# Allegro board SDHCalFEB.brd (continued)
## Routing (per net, layer and track width the routed paths; a pad name or vN(x,y) marks a point on that pad's centre or on a via; arc(x,y) is an arc through that point) (continued)
GEM_OUT_B21: length 45.2
  TOP w0.127: R1458.2 v2(179.83,311.68) R105.1
  GND1 w0.127: v3(180.57,311.68) v2(179.83,311.68)
  SIG3 w0.127: v3(222.2,311.46) 187.75,311.46 187.53,311.68 v3(180.57,311.68)
  GND3 w0.127: v4(222.2,312.2) v3(222.2,311.46)
GEM_OUT_B22: length 9.5
  TOP w0.127: v2(239.17,312.14) R106.1 R1428.2
  GND1 w0.127: v3(238.43,312.14) v2(239.17,312.14)
  SIG3 w0.127: v3(238.43,312.14) 235.99,312.14 235.93,312.2 v3(232.94,312.2)
  GND3 w0.127: v4(232.2,312.2) v3(232.94,312.2)
GEM_OUT_B23: length 3.6
  TOP w0.127: R107.1 242.68,310.72 242.68,310.73 v2(242.2,310.73) 241.7,310.73 241.69,310.72 R1425.2
  GND1 w0.127: v3(242.2,311.46) v2(242.2,310.73)
  GND3 w0.127: v4(242.2,312.2) v3(242.2,311.46)
GEM_OUT_B24: length 3.5
  TOP w0.127: R1422.2 252.2,314.66 v2(252.2,313.67) 252.2,312.65 R108.1
  GND1 w0.127: v3(252.2,312.94) v2(252.2,313.67)
  GND3 w0.127: v4(252.2,312.2) v3(252.2,312.94)
GEM_OUT_B25: length 23.5
  TOP w0.127: R1494.2 193.26,303.55 193.26,303.56 R109.1 v2(191.69,303.56)
  GND1 w0.127: v2(191.69,303.56) v3(192.43,303.56)
  SIG3 w0.127: v3(192.43,303.56) 193.19,302.79 202.13,302.79 202.73,302.2 v3(211.46,302.2)
  GND3 w0.127: v4(212.2,302.2) v3(211.46,302.2)
GEM_OUT_B26: length 10.1
  TOP w0.127: v2(194.64,302.08) R110.1 195.63,301.49 195.64,301.48 R1498.2
  GND1 w0.127: v2(194.64,302.08) v3(195.38,302.08)
  SIG3 w0.127: v3(201.46,302.2) 201.35,302.08 v3(195.38,302.08)
  GND3 w0.127: v4(202.2,302.2) v3(201.46,302.2)
GEM_OUT_B27: length 34.9
  TOP w0.127: R111.1 v2(256.18,313.64) R1486.2
  GND1 w0.127: v2(256.18,313.64) v3(256.18,312.7)
  SIG3 w0.127: v3(231.46,302.2) 232.48,302.2 234.32,304.04 238.15,304.04 239.9,305.79 252.65,305.79 256.18,309.32 v3(256.18,312.7)
  GND3 w0.127: v4(232.2,302.2) v3(231.46,302.2)
GEM_OUT_B28: length 3.6
  TOP w0.127: R1482.2 241.45,302.48 241.46,302.49 v2(241.46,302.94) 241.46,303.4 241.45,303.42 R112.1
  GND1 w0.127: v3(241.46,302.2) v2(241.46,302.94)
  GND3 w0.127: v4(242.2,302.2) v3(241.46,302.2)
GEM_OUT_B29: length 3.9
  TOP w0.127: v2(252.94,302.94) 252.94,303.93 R113.1 R1478.2
  GND1 w0.127: v3(252.94,302.2) v2(252.94,302.94)
  GND3 w0.127: v4(252.2,302.2) v3(252.94,302.2)
GEM_OUT_B30: length 3.5
  TOP w0.127: R1502.2 190.73,302.19 v2(190.73,302.2) 190.28,302.2 190.27,302.21 R114.1
  GND1 w0.127: v3(191.46,302.2) v2(190.73,302.2)
  GND3 w0.127: v4(192.2,302.2) v3(191.46,302.2)
GEM_OUT_B31: length 44.1
  TOP w0.127: R1490.2 R115.1 v2(182.6,306.27)
  GND1 w0.127: v2(182.6,306.27) v3(183.34,306.27)
  SIG3 w0.127: v3(183.34,306.27) 184.99,304.62 201.52,304.62 203.5,302.64 209.96,302.64 210.44,303.12 220.54,303.12 v3(221.46,302.2)
  GND3 w0.127: v4(222.2,302.2) v3(221.46,302.2)
GEM_OUT_B32: length 4.5
  TOP w0.127: R1506.2 180.95,301.47 v2(182.94,301.47) 182.94,300.5 R116.1
  GND1 w0.127: v2(182.94,301.47) 182.75,301.47 182.75,301.47 182.2,301.47 v3(182.2,301.46)
  GND3 w0.127: v4(182.2,302.2) v3(182.2,301.46)
GEM_OUT_B33: length 4
  TOP w0.127: R117.1 182.19,294.14 182.2,294.14 v2(182.2,293.67) 180.75,293.67 R1538.2
  GND1 w0.127: v3(182.2,292.94) v2(182.2,293.67)
  GND3 w0.127: v4(182.2,292.2) v3(182.2,292.94)
GEM_OUT_B34: length 32.8
  TOP w0.127: R118.1 182.22,287.7 v2(183.2,287.7) 184.15,287.7 R1526.2
  GND1 w0.127: v3(183.93,287.7) v2(183.2,287.7)
  SIG3 w0.127: v3(183.93,287.7) 199,287.7 203.5,292.2 v3(211.13,292.2)
  GND3 w0.127: v4(212.2,292.2) v3(211.13,292.2)
GEM_OUT_B35: length 4.4
  TOP w0.127: R119.1 189.33,292.2 v2(190.73,292.2) 190.73,293.15 R1534.2
  GND1 w0.127: v3(191.46,292.2) v2(190.73,292.2)
  GND3 w0.127: v4(192.2,292.2) v3(191.46,292.2)
GEM_OUT_B36: length 38
  TOP w0.127: R1522.2 190.49,286.71 190.49,286.72 R120.1 v2(188.93,286.72)
  GND1 w0.127: v2(188.93,286.72) v3(189.66,286.72)
  SIG3 w0.127: v3(221.46,292.2) 216.15,292.2 215.32,291.36 203.86,291.36 199.21,286.72 v3(189.66,286.72)
  GND3 w0.127: v4(222.2,292.2) v3(221.46,292.2)
GEM_OUT_B37: length 3.4
  TOP w0.127: R1510.2 253.68,292.19 v2(253.67,292.2) 253.67,292.2 R121.1
  GND1 w0.127: v3(252.94,292.2) v2(253.67,292.2)
  GND3 w0.127: v4(252.2,292.2) v3(252.94,292.2)
GEM_OUT_B38: length 4
  TOP w0.127: v2(242.94,292.94) 242.94,293.94 R122.1 243.55,293.95 243.55,293.95 R1514.2
  GND1 w0.127: v2(242.94,292.94) v3(242.2,292.94)
  GND3 w0.127: v4(242.2,292.2) v3(242.2,292.94)
GEM_OUT_B39: length 17.7
  TOP w0.127: R123.1 v2(243.64,288.93) 242.69,288.93 R1518.2
  GND1 w0.127: v3(244.37,288.93) v2(243.64,288.93)
  SIG3 w0.127: v3(231.46,292.2) 232.67,292.2 233.22,291.64 236.75,291.64 239.47,288.93 v3(244.37,288.93)
  GND3 w0.127: v4(232.2,292.2) v3(231.46,292.2)
GEM_OUT_B40: length 8.3
  TOP w0.127: v2(200.73,292.2) 197.35,288.82 R124.1 195.86,288.82 195.85,288.83 R1530.2
  GND1 w0.127: v3(201.46,292.2) v2(200.73,292.2)
  GND3 w0.127: v4(202.2,292.2) v3(201.46,292.2)
GEM_OUT_B41: length 3.5
  TOP w0.127: R1570.2 181.16,282.25 v2(181.16,283.24) 181.16,283.73 181.15,283.73 R125.1
  GND1 w0.127: v3(181.68,282.72) v2(181.16,283.24)
  GND3 w0.127: v4(182.2,282.2) v3(181.68,282.72)
GEM_OUT_B42: length 33.9
  TOP w0.127: R126.1 v2(183.59,277.44) 182.68,277.44 182.67,277.45 R1558.2
  GND1 w0.127: v3(183.59,278.18) v2(183.59,277.44)
  SIG3 w0.127: v3(212.2,281.46) 208.92,278.18 v3(183.59,278.18)
  GND3 w0.127: v4(212.2,282.2) v3(212.2,281.46)
GEM_OUT_B43: length 3.4
  TOP w0.127: R127.1 183.69,272.22 v2(183.67,272.2) 183.7,272.17 R1601.2
  GND1 w0.127: v3(182.94,272.2) v2(183.67,272.2)
  GND3 w0.127: v4(182.2,272.2) v3(182.94,272.2)
GEM_OUT_B44: length 4
  TOP w0.127: R1566.2 192.21,279.82 192.2,279.83 v2(192.2,280.73) 191.19,280.73 R128.1
  GND1 w0.127: v3(192.2,281.46) v2(192.2,280.73)
  GND3 w0.127: v4(192.2,282.2) v3(192.2,281.46)
GEM_OUT_B45: length 33.1
  TOP w0.127: R1554.2 195.23,274.26 v2(195.22,274.27) R129.1
  GND1 w0.127: v3(195.22,275.01) v2(195.22,274.27)
  SIG3 w0.127: v3(195.22,275.01) 215.74,275.01 v3(222.2,281.46)
  GND3 w0.127: v4(222.2,282.2) v3(222.2,281.46)
GEM_OUT_B46: length 3.5
  TOP w0.127: R130.1 191.48,271.48 v2(191.46,271.46) 191.45,271.48 R1597.2
  GND1 w0.127: v3(192.2,271.46) v2(191.46,271.46)
  GND3 w0.127: v4(192.2,272.2) v3(192.2,271.46)
GEM_OUT_B47: length 3.4
  TOP w0.127: R1542.2 252.92,282.92 v2(252.94,282.94) 252.93,282.94 R131.1
  GND1 w0.127: v2(252.94,282.94) v3(252.2,282.94)
  GND3 w0.127: v4(252.2,282.2) v3(252.2,282.94)
GEM_OUT_B48: length 4
  TOP w0.127: v2(241.46,282.94) 241.46,283.96 R132.1 241.48,284.57 241.48,284.57 R1546.2
  GND1 w0.127: v3(241.46,282.2) v2(241.46,282.94)
  GND3 w0.127: v4(242.2,282.2) v3(241.46,282.2)
GEM_OUT_B49: length 12.2
  TOP w0.127: R1550.2 239.9,277.05 R133.1 v2(238.91,278.56)
  GND1 w0.127: v2(238.91,278.56) v3(239.65,278.56)
  SIG3 w0.127: v3(239.65,278.56) 236.01,282.2 v3(232.96,282.2)
  GND3 w0.127: v4(232.2,282.2) v3(232.96,282.2)
GEM_OUT_B50: length 3.5
  TOP w0.127: R134.1 201.46,281.46 v2(201.46,281.46) 202.43,281.46 R1562.2
  GND1 w0.127: v3(201.46,282.2) v2(201.46,281.46)
  GND3 w0.127: v4(202.2,282.2) v3(201.46,282.2)
GEM_OUT_B51: length 3.5
  TOP w0.127: R135.1 182.19,263.68 v2(182.2,263.67) 182.2,262.67 R1633.2
  GND1 w0.127: v3(182.2,262.94) v2(182.2,263.67)
  GND3 w0.127: v4(182.2,262.2) v3(182.2,262.94)
GEM_OUT_B52: length 4
  TOP w0.127: R136.1 190.73,262.2 v2(190.73,262.2) 189.25,262.2 R1629.2
  GND1 w0.127: v3(191.46,262.2) v2(190.73,262.2)
  GND3 w0.127: v4(192.2,262.2) v3(191.46,262.2)
GEM_OUT_B53: length 4
  TOP w0.127: R1593.2 203.67,271.13 R137.1 203.67,271.15 v2(203.67,272.2)
  GND1 w0.127: v3(202.94,272.2) v2(203.67,272.2)
  GND3 w0.127: v4(202.2,272.2) v3(202.94,272.2)
GEM_OUT_B54: length 3.5
  TOP w0.127: R138.1 202.2,261.71 v2(202.2,260.73) R1625.2
  GND1 w0.127: v3(202.2,261.46) v2(202.2,260.73)
  GND3 w0.127: v4(202.2,262.2) v3(202.2,261.46)
GEM_OUT_B55: length 3.5
  TOP w0.127: R1621.2 210.74,262.19 v2(210.73,262.2) 210.28,262.2 210.28,262.2 R139.1
  GND1 w0.127: v3(211.46,262.2) v2(210.73,262.2)
  GND3 w0.127: v4(212.2,262.2) v3(211.46,262.2)
GEM_OUT_B56: length 4
  TOP w0.127: R1589.2 212.18,271.2 R140.1 210.72,272.19 v2(210.73,272.2)
  GND1 w0.127: v3(211.46,272.2) v2(210.73,272.2)
  GND3 w0.127: v4(212.2,272.2) v3(211.46,272.2)
GEM_OUT_B57: length 4
  TOP w0.127: R1617.2 219.68,262.2 R141.1 220.28,262.2 220.28,262.2 v2(220.73,262.2)
  GND1 w0.127: v3(221.46,262.2) v2(220.73,262.2)
  GND3 w0.127: v4(222.2,262.2) v3(221.46,262.2)
GEM_OUT_B58: length 3.9
  TOP w0.127: R1613.2 229.71,262.2 R142.1 229.72,262.2 v2(230.73,262.2)
  GND1 w0.127: v3(231.46,262.2) v2(230.73,262.2)
  GND3 w0.127: v4(232.2,262.2) v3(231.46,262.2)
GEM_OUT_B59: length 3.5
  TOP w0.127: R143.1 239.73,262.2 v2(240.73,262.2) R1609.2
  GND1 w0.127: v3(241.46,262.2) v2(240.73,262.2)
  GND3 w0.127: v4(242.2,262.2) v3(241.46,262.2)
GEM_OUT_B60: length 3.4
  TOP w0.127: R144.1 249.71,262.2 v2(250.73,262.2) R1605.2
  GND1 w0.127: v3(251.46,262.2) v2(250.73,262.2)
  GND3 w0.127: v4(252.2,262.2) v3(251.46,262.2)
GEM_OUT_B61: length 4
  TOP w0.127: R1574.2 252.77,269.74 252.77,269.75 R145.1 252.2,269.75 v2(252.2,270.73)
  GND1 w0.127: v3(252.2,271.46) v2(252.2,270.73)
  GND3 w0.127: v4(252.2,272.2) v3(252.2,271.46)
GEM_OUT_B62: length 4
  TOP w0.127: R1578.2 243.66,269.7 R146.1 242.2,269.71 v2(242.2,270.73)
  GND1 w0.127: v3(242.2,271.46) v2(242.2,270.73)
  GND3 w0.127: v4(242.2,272.2) v3(242.2,271.46)
GEM_OUT_B63: length 3.5
  TOP w0.127: R1582.2 232.2,271.7 v2(232.2,270.73) 232.2,269.73 R147.1
  GND1 w0.127: v3(232.2,271.46) v2(232.2,270.73)
  GND3 w0.127: v4(232.2,272.2) v3(232.2,271.46)
GEM_OUT_B64: length 3.5
  TOP w0.127: 220.05,272.9 220.73,272.22 v2(220.73,272.2) 220.74,272.21 R148.1
  GND1 w0.127: v3(221.46,272.2) v2(220.73,272.2)
  GND3 w0.127: v4(222.2,272.2) v3(221.46,272.2)
GEM_OUT_C1: length 5
  TOP w0.127: R168.1 172.2,318.31 v2(172.2,320.73) 172.19,320.74 R1442.2
  GND1 w0.127: v3(172.2,321.46) v2(172.2,320.73)
  GND3 w0.127: v4(172.2,322.2) v3(172.2,321.46)
GEM_OUT_C2: length 3.4
  TOP w0.127: R169.1 172.2,334.62 v2(172.2,333.67) 172.2,332.73 R1402.2
  GND1 w0.127: v3(172.2,332.94) v2(172.2,333.67)
  GND3 w0.127: v4(172.2,332.2) v3(172.2,332.94)
GEM_OUT_C3: length 3.4
  TOP w0.127: R170.1 162.2,324.67 v2(162.2,323.67) 162.2,322.71 R1411.2
  GND1 w0.127: v3(162.2,322.94) v2(162.2,323.67)
  GND3 w0.127: v4(162.2,322.2) v3(162.2,322.94)
GEM_OUT_C4: length 3.4
  TOP w0.127: R171.1 160.73,332.2 v2(160.73,332.2) 159.77,332.2 R1385.2
  GND1 w0.127: v3(161.46,332.2) v2(160.73,332.2)
  GND3 w0.127: v4(162.2,332.2) v3(161.46,332.2)
GEM_OUT_C5: length 3.4
  TOP w0.127: R1413.2 152.2,323.67 v2(152.2,323.67) 152.2,324.64 R172.1
  GND1 w0.127: v3(152.2,322.94) v2(152.2,323.67)
  GND3 w0.127: v4(152.2,322.2) v3(152.2,322.94)
GEM_OUT_C6: length 3.5
  TOP w0.127: R173.1 150.73,332.2 v2(150.73,332.2) 149.77,332.2 R1432.2
  GND1 w0.127: v3(151.46,332.2) v2(150.73,332.2)
  GND3 w0.127: v4(152.2,332.2) v3(151.46,332.2)
GEM_OUT_C7: length 3.5
  TOP w0.127: R174.1 142.2,324.69 v2(142.2,323.67) 142.2,322.72 R1395.2
  GND1 w0.127: v3(142.2,322.94) v2(142.2,323.67)
  GND3 w0.127: v4(142.2,322.2) v3(142.2,322.94)
GEM_OUT_C8: length 4
  TOP w0.127: R175.1 139.73,332.2 v2(140.73,332.2) 140.73,333.1 140.72,333.11 R1434.2
  GND1 w0.127: v3(141.46,332.2) v2(140.73,332.2)
  GND3 w0.127: v4(142.2,332.2) v3(141.46,332.2)
GEM_OUT_C9: length 4
  TOP w0.127: R176.1 132.21,323.68 v2(132.2,323.67) 133.11,323.67 133.11,323.67 R1396.2
  GND1 w0.127: v3(132.2,322.94) v2(132.2,323.67)
  GND3 w0.127: v4(132.2,322.2) v3(132.2,322.94)
GEM_OUT_C10: length 3.5
  TOP w0.127: R1436.2 132.2,332.67 v2(132.2,333.67) 132.2,334.69 R177.1
  GND1 w0.127: v3(132.2,332.94) v2(132.2,333.67)
  GND3 w0.127: v4(132.2,332.2) v3(132.2,332.94)
GEM_OUT_C11: length 3.5
  TOP w0.127: R178.1 122.2,334.66 v2(122.2,333.67) R1407.2
  GND1 w0.127: v3(122.2,332.94) v2(122.2,333.67)
  GND3 w0.127: v4(122.2,332.2) v3(122.2,332.94)
GEM_OUT_C12: length 3.3
  TOP w0.127: R1449.2 122.2,322.95 v2(122.2,323.67) 122.2,324.12 122.2,324.13 R179.1
  GND1 w0.127: v3(122.2,322.94) v2(122.2,323.67)
  GND3 w0.127: v4(122.2,322.2) v3(122.2,322.94)
GEM_OUT_C13: length 1.5
  TOP w0.127: R180.1 117.65,332.2 R1642.1
GEM_OUT_C14: length 3.5
  TOP w0.127: R1391.2 102.2,331.71 v2(102.2,330.73) 102.2,329.68 R181.1
  GND1 w0.127: v3(102.2,331.46) v2(102.2,330.73)
  GND3 w0.127: v4(102.2,332.2) v3(102.2,331.46)
GEM_OUT_C15: length 4
  TOP w0.127: R1471.2 122.68,312.8 122.67,312.79 R182.1 122.68,312.2 v2(123.67,312.2)
  GND1 w0.127: v3(122.94,312.2) v2(123.67,312.2)
  GND3 w0.127: v4(122.2,312.2) v3(122.94,312.2)
GEM_OUT_C16: length 3.5
  TOP w0.127: R183.1 113.68,322.19 v2(113.67,322.2) 113.67,322.2 R1451.2
  GND1 w0.127: v3(112.94,322.2) v2(113.67,322.2)
  GND3 w0.127: v4(112.2,322.2) v3(112.94,322.2)
GEM_OUT_C17: length 3.5
  TOP w0.127: R1423.2 v2(103.67,322.2) R184.1
  GND1 w0.127: v3(102.94,322.2) v2(103.67,322.2)
  GND3 w0.127: v4(102.2,322.2) v3(102.94,322.2)
GEM_OUT_C18: length 39.7
  TOP w0.127: R1467.2 v2(98.42,319.53) R185.1
  GND1 w0.127: v2(98.42,319.53) v3(99.16,319.53)
  SIG3 w0.127: v3(99.16,319.53) 125.58,319.53 v3(132.2,312.91)
  GND3 w0.127: v4(132.2,312.2) v3(132.2,312.91)
GEM_OUT_C19: length 3.4
  TOP w0.127: R186.1 113.66,312.19 v2(113.67,312.2) 113.68,312.19 R1475.2
  GND1 w0.127: v3(112.94,312.2) v2(113.67,312.2)
  GND3 w0.127: v4(112.2,312.2) v3(112.94,312.2)
GEM_OUT_C20: length 3.6
  TOP w0.127: R187.1 103.25,313.67 v2(102.2,313.67) 101.15,313.67 R1479.2
  GND1 w0.127: v3(102.2,312.94) v2(102.2,313.67)
  GND3 w0.127: v4(102.2,312.2) v3(102.2,312.94)
GEM_OUT_C21: length 45
  TOP w0.127: R1463.2 v2(100.03,311.28) R188.1
  GND1 w0.127: v2(100.03,311.28) v3(100.76,311.28)
  SIG3 w0.127: v3(100.76,311.28) 102.15,311.28 102.33,311.46 v3(142.2,311.46)
  GND3 w0.127: v4(142.2,312.2) v3(142.2,311.46)
GEM_OUT_C22: length 9.7
  TOP w0.127: R189.1 v2(159.87,312.2) 158.83,312.2 R1459.2
  GND1 w0.127: v3(159.13,312.2) v2(159.87,312.2)
  SIG3 w0.127: v3(159.13,312.2) v3(152.94,312.2)
  GND3 w0.127: v4(152.2,312.2) v3(152.94,312.2)
GEM_OUT_C23: length 3.4
  TOP w0.127: R190.1 162.21,310.72 v2(162.2,310.73) 162.19,310.72 R1455.2
  GND1 w0.127: v3(162.2,311.46) v2(162.2,310.73)
  GND3 w0.127: v4(162.2,312.2) v3(162.2,311.46)
GEM_OUT_C24: length 4
  TOP w0.127: R1426.2 173.11,313.66 173.11,313.67 v2(172.2,313.67) 172.2,312.68 R191.1
  GND1 w0.127: v3(172.2,312.94) v2(172.2,313.67)
  GND3 w0.127: v4(172.2,312.2) v3(172.2,312.94)
GEM_OUT_C25: length 26.2
  TOP w0.127: v2(110.92,304.7) R192.1 113.37,304.7 R1499.2
  GND1 w0.127: v3(110.19,304.7) v2(110.92,304.7)
  SIG3 w0.127: v3(131.35,302.2) 122.44,302.2 119.94,304.7 v3(110.19,304.7)
  GND3 w0.127: v4(132.2,302.2) v3(131.35,302.2)
GEM_OUT_C26: length 12.1
  TOP w0.127: R1503.2 113.31,302.55 113.31,302.56 v2(113.31,303) R193.1
  GND1 w0.127: v2(113.31,303) v3(114.05,303)
  SIG3 w0.127: v3(114.05,303) 115.37,301.68 v3(121.68,301.68)
  GND3 w0.127: v3(121.68,301.68) v4(122.2,302.2)
GEM_OUT_C27: length 33.2
  TOP w0.127: R194.1 v2(176.03,313.26) 176.03,314.27 R1491.2
  GND1 w0.127: v2(176.03,313.26) v3(176.03,312.52)
  SIG3 w0.127: v3(151.67,302.71) 152.36,303.4 155.27,303.4 157.2,305.33 170.99,305.33 176.03,310.37 v3(176.03,312.52)
  GND3 w0.127: v3(151.67,302.71) 151.69,302.71 152.2,302.2 v4(152.2,302.2)
GEM_OUT_C28: length 3.4
  TOP w0.127: R1487.2 161.47,302.93 v2(161.46,302.94) R195.1
  GND1 w0.127: v3(161.46,302.2) v2(161.46,302.94)
  GND3 w0.127: v4(162.2,302.2) v3(161.46,302.2)
GEM_OUT_C29: length 3.5
  TOP w0.127: R196.1 171.47,303.39 171.46,303.38 v2(171.46,302.94) 171.46,301.97 R1483.2
  GND1 w0.127: v3(171.46,302.2) v2(171.46,302.94)
  GND3 w0.127: v4(172.2,302.2) v3(171.46,302.2)
GEM_OUT_C30: length 3.6
  TOP w0.127: R1507.2 111.85,302.2 v2(110.73,302.2) 109.73,302.2 R197.1
  GND1 w0.127: v3(111.46,302.2) v2(110.73,302.2)
  GND3 w0.127: v4(112.2,302.2) v3(111.46,302.2)
GEM_OUT_C31: length 45.3
  TOP w0.127: R1495.2 100.05,307.64 R198.1 v2(101.02,306.2)
  GND1 w0.127: v2(101.02,306.2) v3(101.54,305.68)
  SIG3 w0.127: v3(141.46,302.2) 140.87,302.8 123.21,302.8 120.33,305.68 v3(101.54,305.68)
  GND3 w0.127: v4(142.2,302.2) v3(141.46,302.2)
GEM_OUT_C32: length 4
  TOP w0.127: R199.1 101.46,300.49 v2(101.46,301.46) 99.95,301.46 R1511.2
  GND1 w0.127: v3(102.2,301.46) v2(101.46,301.46)
  GND3 w0.127: v4(102.2,302.2) v3(102.2,301.46)
GEM_OUT_C33: length 4.2
  TOP w0.127: R200.1 102.2,294.94 v2(102.2,293.67) 102.19,293.68 R1543.2
  GND1 w0.127: v3(102.2,292.94) v2(102.2,293.67)
  GND3 w0.127: v4(102.2,292.2) v3(102.2,292.94)
GEM_OUT_C34: length 33.3
  TOP w0.127: v2(103.15,287.88) R201.1 100.7,287.88 R1531.2
  GND1 w0.127: v3(103.89,287.88) v2(103.15,287.88)
  SIG3 w0.127: v3(103.89,287.88) 119.23,287.88 123.54,292.2 v3(131.46,292.2)
  GND3 w0.127: v4(132.2,292.2) v3(131.46,292.2)
GEM_OUT_C35: length 4.3
  TOP w0.127: R202.1 109.66,292.2 109.67,292.2 v2(110.73,292.2) 110.73,293.21 R1539.2
  GND1 w0.127: v3(111.46,292.2) v2(110.73,292.2)
  GND3 w0.127: v4(112.2,292.2) v3(111.46,292.2)
GEM_OUT_C36: length 38.6
  TOP w0.127: R1527.2 110.07,286.51 110.07,286.51 R203.1 v2(108.48,286.51)
  GND1 w0.127: v2(108.48,286.51) v3(109.22,286.51)
  SIG3 w0.127: v3(141.46,292.2) 140.58,291.31 124.05,291.31 119.25,286.51 v3(109.22,286.51)
  GND3 w0.127: v4(142.2,292.2) v3(141.46,292.2)
GEM_OUT_C37: length 4
  TOP w0.127: R204.1 172.2,294.73 v2(172.2,293.67) 173.7,293.67 R1515.2
  GND1 w0.127: v3(172.2,292.94) v2(172.2,293.67)
  GND3 w0.127: v4(172.2,292.2) v3(172.2,292.94)
GEM_OUT_C38: length 3.4
  TOP w0.127: R205.1 v2(162.94,292.94) R1519.2
  GND1 w0.127: v3(162.94,292.2) v2(162.94,292.94)
  GND3 w0.127: v4(162.2,292.2) v3(162.94,292.2)
GEM_OUT_C39: length 18.3
  TOP w0.127: R1523.2 166.08,291.25 166.09,291.25 v2(166.09,292.18) R206.1
  GND1 w0.127: v3(165.35,292.18) v2(166.09,292.18)
  SIG3 w0.127: v3(151.46,292.2) 152.05,291.62 164.79,291.62 v3(165.35,292.18)
  GND3 w0.127: v4(152.2,292.2) v3(151.46,292.2)
GEM_OUT_C40: length 8.9
  TOP w0.127: R1535.2 115.19,289.08 115.19,289.08 R207.1 117.6,289.08 v2(120.73,292.2)
  GND1 w0.127: v3(121.46,292.2) v2(120.73,292.2)
  GND3 w0.127: v4(122.2,292.2) v3(121.46,292.2)
GEM_OUT_C41: length 3.5
  TOP w0.127: R208.1 102.21,283.67 v2(102.2,283.67) 101.75,283.67 101.75,283.67 R1575.2
  GND1 w0.127: v3(102.2,282.94) v2(102.2,283.67)
  GND3 w0.127: v4(102.2,282.2) v3(102.2,282.94)
GEM_OUT_C42: length 33.3
  TOP w0.127: R209.1 v2(102.74,278.51) 103.71,278.51 R1563.2
  GND1 w0.127: v3(103.48,278.51) v2(102.74,278.51)
  SIG3 w0.127: v3(132.2,281.54) 129.17,278.51 v3(103.48,278.51)
  GND3 w0.127: v4(132.2,282.2) v3(132.2,281.54)
GEM_OUT_C43: length 3.9
  TOP w0.127: R210.1 102.2,274.64 v2(102.2,273.67) 100.76,273.67 R1606.2
  GND1 w0.127: v3(102.2,272.94) v2(102.2,273.67)
  GND3 w0.127: v4(102.2,272.2) v3(102.2,272.94)
GEM_OUT_C44: length 3.9
  TOP w0.127: R211.1 111.21,280.73 v2(112.2,280.73) 112.2,279.87 112.21,279.85 R1571.2
  GND1 w0.127: v2(112.2,280.73) v3(112.2,281.46)
  GND3 w0.127: v4(112.2,282.2) v3(112.2,281.46)
GEM_OUT_C45: length 35.3
  TOP w0.127: R212.1 v2(113.44,273.81) 113.44,272.93 113.42,272.91 R1559.2
  GND1 w0.127: v2(113.44,273.81) v3(114.17,273.81)
  SIG3 w0.127: v3(114.17,273.81) 127.64,273.81 135.09,281.27 v3(142.2,281.27)
  GND3 w0.127: v4(142.2,282.2) v3(142.2,281.27)
GEM_OUT_C46: length 3.6
  TOP w0.127: R1602.2 111.74,270.74 111.76,270.73 v2(112.2,270.73) 112.64,270.73 112.66,270.74 R213.1
  GND1 w0.127: v3(112.2,271.46) v2(112.2,270.73)
  GND3 w0.127: v4(112.2,272.2) v3(112.2,271.46)
GEM_OUT_C47: length 3.4
  TOP w0.127: R1547.2 172.2,283.67 v2(172.2,283.67) 172.21,283.69 R214.1
  GND1 w0.127: v3(172.2,282.94) v2(172.2,283.67)
  GND3 w0.127: v4(172.2,282.2) v3(172.2,282.94)
GEM_OUT_C48: length 4
  TOP w0.127: R1551.2 163.8,281.3 163.67,281.43 v2(163.67,282.2) 163.68,282.19 R215.1
  GND1 w0.127: v3(162.94,282.2) v2(163.67,282.2)
  GND3 w0.127: v4(162.2,282.2) v3(162.94,282.2)
GEM_OUT_C49: length 9.4
  TOP w0.127: R1555.2 159.11,280.71 v2(159.11,282.2) R216.1
  GND1 w0.127: v2(159.11,282.2) v3(158.37,282.2)
  SIG3 w0.127: v3(158.37,282.2) 157.82,282.2 157.82,282.2 v3(152.94,282.2)
  GND3 w0.127: v4(152.2,282.2) v3(152.94,282.2)
GEM_OUT_C50: length 4
  TOP w0.127: v2(122.2,280.73) 122.2,279.7 R217.1 R1567.2
  GND1 w0.127: v3(122.2,281.46) v2(122.2,280.73)
  GND3 w0.127: v4(122.2,282.2) v3(122.2,281.46)
GEM_OUT_C51: length 3.5
  TOP w0.127: R1636.2 102.19,263.67 v2(102.2,263.67) 102.21,263.68 R218.1
  GND1 w0.127: v3(102.2,262.94) v2(102.2,263.67)
  GND3 w0.127: v4(102.2,262.2) v3(102.2,262.94)
GEM_OUT_C52: length 4
  TOP w0.127: R1634.2 110.27,262.21 110.28,262.2 v2(110.73,262.2) 110.73,263.19 R219.1
  GND1 w0.127: v3(111.46,262.2) v2(110.73,262.2)
  GND3 w0.127: v4(112.2,262.2) v3(111.46,262.2)
GEM_OUT_C53: length 4
  TOP w0.127: R1598.2 122.22,270.26 122.2,270.28 v2(122.2,270.73) 122.22,270.74 R220.1
  GND1 w0.127: v3(122.2,271.46) v2(122.2,270.73)
  GND3 w0.127: v4(122.2,272.2) v3(122.2,271.46)
GEM_OUT_C54: length 3.6
  TOP w0.127: R221.1 119.71,262.2 v2(120.73,262.2) 121.17,262.2 121.18,262.19 R1630.2
  GND1 w0.127: v3(121.46,262.2) v2(120.73,262.2)
  GND3 w0.127: v4(122.2,262.2) v3(121.46,262.2)
GEM_OUT_C55: length 3.5
  TOP w0.127: R1626.2 130.74,262.19 v2(130.73,262.2) R222.1
  GND1 w0.127: v3(131.46,262.2) v2(130.73,262.2)
  GND3 w0.127: v4(132.2,262.2) v3(131.46,262.2)
GEM_OUT_C56: length 3.4
  TOP w0.127: R223.1 130.71,272.19 v2(130.73,272.2) 130.71,272.21 R1594.2
  GND1 w0.127: v3(131.46,272.2) v2(130.73,272.2)
  GND3 w0.127: v4(132.2,272.2) v3(131.46,272.2)
GEM_OUT_C57: length 3.5
  TOP w0.127: R1622.2 140.74,262.21 v2(140.73,262.2) R224.1
  GND1 w0.127: v3(141.46,262.2) v2(140.73,262.2)
  GND3 w0.127: v4(142.2,262.2) v3(141.46,262.2)
GEM_OUT_C58: length 3.5
  TOP w0.127: R225.1 v2(150.73,262.2) 150.74,262.19 R1618.2
  GND1 w0.127: v3(151.46,262.2) v2(150.73,262.2)
  GND3 w0.127: v4(152.2,262.2) v3(151.46,262.2)
GEM_OUT_C59: length 3.5
  TOP w0.127: R1614.2 160.74,262.21 v2(160.73,262.2) R226.1
  GND1 w0.127: v3(161.46,262.2) v2(160.73,262.2)
  GND3 w0.127: v4(162.2,262.2) v3(161.46,262.2)
GEM_OUT_C60: length 3.5
  TOP w0.127: R1610.2 170.74,262.19 v2(170.73,262.2) R227.1
  GND1 w0.127: v3(171.46,262.2) v2(170.73,262.2)
  GND3 w0.127: v4(172.2,262.2) v3(171.46,262.2)
GEM_OUT_C61: length 3.9
  TOP w0.127: R1579.2 172.65,270.73 172.64,270.73 v2(172.2,270.73) 172.21,270.71 R228.1
  GND1 w0.127: v3(172.2,271.46) v2(172.2,270.73)
  GND3 w0.127: v4(172.2,272.2) v3(172.2,271.46)
GEM_OUT_C62: length 3.5
  TOP w0.127: R1583.2 162.2,271.67 v2(162.2,270.73) 162.2,270.72 R229.1
  GND1 w0.127: v3(162.2,271.46) v2(162.2,270.73)
  GND3 w0.127: v4(162.2,272.2) v3(162.2,271.46)
GEM_OUT_C63: length 3.5
  TOP w0.127: R1586.2 v2(152.2,270.73) 152.2,270.27 152.2,270.26 R230.1
  GND1 w0.127: v3(152.2,271.46) v2(152.2,270.73)
  GND3 w0.127: v4(152.2,272.2) v3(152.2,271.46)
GEM_OUT_C64: length 3.4
  TOP w0.127: R1590.2 140.06,272.86 v2(140.73,272.2) 140.74,272.19 R231.1
  GND1 w0.127: v3(141.46,272.2) v2(140.73,272.2)
  GND3 w0.127: v4(142.2,272.2) v3(141.46,272.2)
GEM_OUT_D1: length 5.1
  TOP w0.127: R251.1 92.2,318.12 v2(92.2,320.73) 92.2,321.74 R1440.2
  GND1 w0.127: v3(92.2,321.46) v2(92.2,320.73)
  GND3 w0.127: v4(92.2,322.2) v3(92.2,321.46)
GEM_OUT_D2: length 3.4
  TOP w0.127: R1430.2 92.2,333.67 v2(92.2,333.67) 92.2,334.61 R252.1
  GND1 w0.127: v3(92.2,332.94) v2(92.2,333.67)
  GND3 w0.127: v4(92.2,332.2) v3(92.2,332.94)
GEM_OUT_D3: length 3.5
  TOP w0.127: R1419.2 82.2,322.66 v2(82.2,323.67) 82.2,324.67 R253.1
  GND1 w0.127: v3(82.2,322.94) v2(82.2,323.67)
  GND3 w0.127: v4(82.2,322.2) v3(82.2,322.94)
GEM_OUT_D4: length 4
  TOP w0.127: R1404.2 80.72,333.08 80.73,333.08 v2(80.73,332.2) 81.74,332.2 R254.1
  GND1 w0.127: v3(81.46,332.2) v2(80.73,332.2)
  GND3 w0.127: v4(82.2,332.2) v3(81.46,332.2)
GEM_OUT_D5: length 3.5
  TOP w0.127: R1394.2 72.2,322.69 v2(72.2,323.67) 72.2,324.66 R255.1
  GND1 w0.127: v3(72.2,322.94) v2(72.2,323.67)
  GND3 w0.127: v4(72.2,322.2) v3(72.2,322.94)
GEM_OUT_D6: length 3.9
  TOP w0.127: R256.1 69.73,332.2 v2(70.73,332.2) 70.73,333.64 R1405.2
  GND1 w0.127: v3(71.46,332.2) v2(70.73,332.2)
  GND3 w0.127: v4(72.2,332.2) v3(71.46,332.2)
GEM_OUT_D7: length 4
  TOP w0.127: R257.1 62.2,323.68 v2(62.2,323.67) 61.28,323.67 61.28,323.67 R1445.2
  GND1 w0.127: v3(62.2,322.94) v2(62.2,323.67)
  GND3 w0.127: v4(62.2,322.2) v3(62.2,322.94)
GEM_OUT_D8: length 3.5
  TOP w0.127: R258.1 59.74,332.2 v2(60.73,332.2) 61.74,332.2 R1387.2
  GND1 w0.127: v3(61.46,332.2) v2(60.73,332.2)
  GND3 w0.127: v4(62.2,332.2) v3(61.46,332.2)
GEM_OUT_D9: length 4
  TOP w0.127: R1447.2 53.1,324.66 53.09,324.67 R259.1 52.2,323.68 v2(52.2,323.67)
  GND1 w0.127: v3(52.2,322.94) v2(52.2,323.67)
  GND3 w0.127: v4(52.2,322.2) v3(52.2,322.94)
GEM_OUT_D10: length 3.9
  TOP w0.127: R1389.2 53.07,333.68 53.07,333.67 v2(52.2,333.67) 52.2,334.66 R260.1
  GND1 w0.127: v3(52.2,332.94) v2(52.2,333.67)
  GND3 w0.127: v4(52.2,332.2) v3(52.2,332.94)
GEM_OUT_D11: length 3.9
  TOP w0.127: R261.1 42.2,332.72 v2(42.2,333.67) 41.27,333.67 41.26,333.68 R1439.2
  GND1 w0.127: v3(42.2,332.94) v2(42.2,333.67)
  GND3 w0.127: v4(42.2,332.2) v3(42.2,332.94)
